# Altium PCB ATM1099C-0627-ssy-1.brd.PcbDoc (part 2 of 4) (continued)
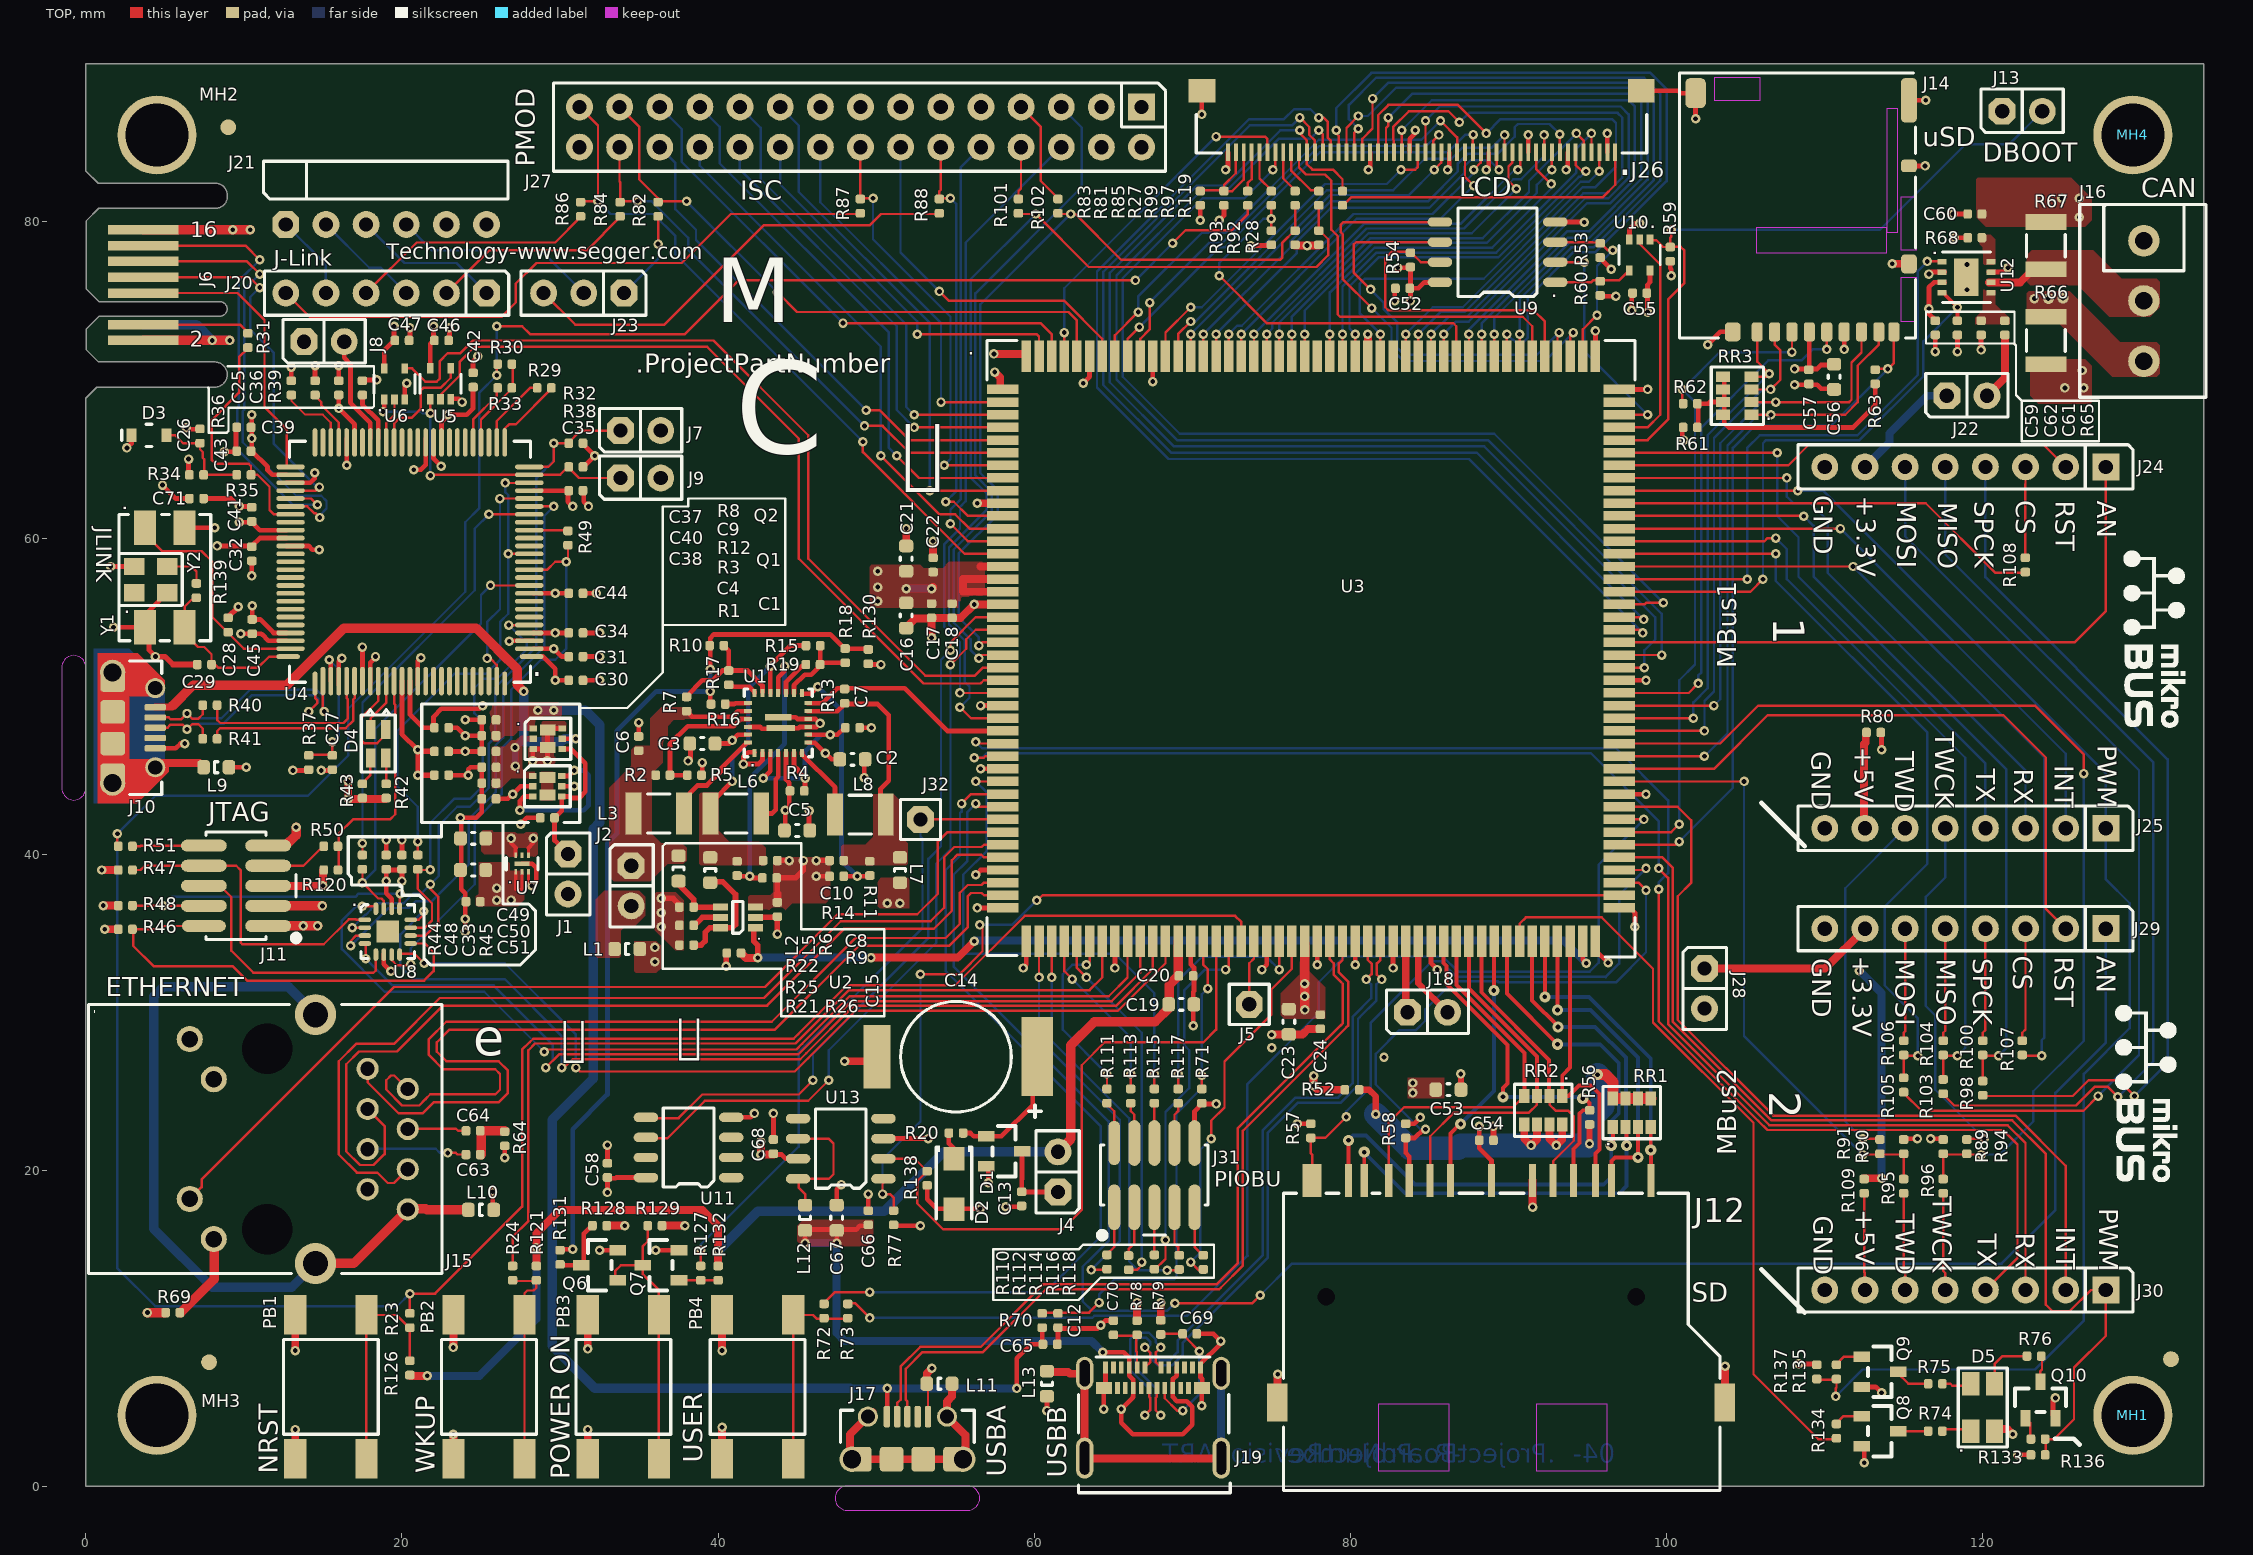
[diagram p0: TOP view]
## Nets (pads, with @x,y where several pads share a name; then routed paths per layer and width w, separated by ;. In a path a pad name is that pad's centre, name@x,y a point inside that pad or via, vN(x,y) a via of type N, cw(c..) or ccw(c..) an arc to the next point about the centre after c; other vN are vias at no path point) (continued)
  TOP w0.152: L11.1@53.2,6.5 53.25,6.5 53.276,6.474 J17.5@53.276,4.417 ; C24.2@78.1,28.95 78.114,28.936 78.136,28.936 C24.2@78.125,28.925
  TOP w0.2: v1@28,38.2 U7.3@28,38.875
  TOP w0.25: v1@28,38.2 v1@28.2,38
  TOP w0.3: v1(1.75,54.35) Y1.4@3.75,54.35 ; J10.5@4.375,46.7 5.694,46.7 5.994,47 v1(6.25,47) ; v1(4.4,52.5) 4,52.9 4,54.1 Y1.4@3.75,54.35 ; Y2.2@5.175,56.575 Y2.2@5.15,56.55 3.75,55.15 Y1.4@3.75,54.35 ; Y1.2@6.25,60.65 v1(8.15,60.65) ; v1(6.358,66.964) v1@6.434,66.888 ; v1@6.42,66.888 v1@6.434,66.888 ; C26.2@7.221,66.888 v1@6.434,66.888 ; C71.2@7.5,62.5 9.2,62.5 v1(9.7,62) C41.2@10.5,62 ; v1(8.745,65.465) 9.465,65.465 9.5,65.5 C39.2@9.5,67 ; L9.2@9,45.5 L9.2@9.05,45.5 v1(10.15,45.5) ; v1(10.5,57.6) C32.2@10.5,58.5 ; v1(10.525,55.725) 10.525,55.075 C45.2@10.75,54.85 ; C45.2@10.7,54.85 C45.2@10.75,54.85 ; U4.72@12.7,54 11.875,54 11.025,54.85 C45.2@10.75,54.85 ; U4.61@12.7,59.5 U4.61@12.95,59.5 14.1,59.5 14.332,59.268 v1(14.765,59.268) ; v1(13.1,45.3) R37.1@14.1,45.3 ; C25.1@14.5,70 v1(14.5,70.9) ; v1(14.9,45.3) C27.2@15.6,45.3 ; C36.2@16,70 v1(16,70.9) ; v1(16.5,64.6) U4.46@16.5,66.05 U4.46@16.5,66.3 ; U4.82@17.5,50.7 U4.82@17.5,50.95 v1(17.5,53.1) ; U8.6@18.85,33.7 U8.6@18.85,33.65 18.85,33.05 v1(19.3,32.6) ; C48.2@19,40 v1(19,40.9) ; C33.2@20,40 v1(20,40.9) ; U6.3@20.175,68.77 20.175,69.675 v1(20.3,69.8) ; C47.2@20.5,72.5 v1(20.5,73.3) ; U4.89@21,50.7 U4.89@21,50.95 21,52.225 v1(21.2,52.425) ; U4.35@22,66.3 U4.35@22,66.05 22,65.025 v1(22.475,64.55) ; C38.2@23,45 v1(24.2,45) 24.2,45.359 24.341,45.5 25.052,45.5 25.052,42.652 24.7,42.3 v1(23.7,42.3) 23.75,42.25 23.75,37.777 24,37.527 v1(24,35.9) v1(24,35.1) ; C40.2@23,46.5 v1(24,46.5) 25.052,46.5 C9.2@25.052,47.5 ; C37.2@23,48 23.5,48 v1(24,47.5) C9.2@25.05,47.5 C9.2@25.052,47.5 ; C46.2@23,72.5 v1(23,73.3) ; U5.3@23.09,68.813 23.587,68.813 v1(23.8,68.6) ; v1(24,48.5) 25.052,48.5 C9.2@25.052,47.5 ; C42.2@24.5,70.5 24.5,71.2 v1(24.8,71.5) ; L10.2@25.75,17.5 v1(25.75,18.65) ; v1(26.5,20.8) R64.1@26.5,21.5 ; v1(26.779,53.476) 26.803,53.5 U4.3@28.05,53.5 U4.3@28.3,53.5 ; v1(27.5,41.9) 27.9,42.3 C1.2@28.7,42.3 ; U7.7@27.6,39.4 28.247,39.4 28.5,39.147 28.5,38.3 28.2,38 v1(28.202,38) ; C30.2@31.5,51 v1(32.5,51) ; C31.2@31.5,52.5 v1(32.5,52.5) ; C34.2@31.5,54 v1(32.5,54) ; C44.2@31.5,56.5 v1(32.3,56.5) ; C35.2@31.5,63 31.5,62.3 v1(31.8,62) ; v1(32.5,14.95) Q6.2@33.5,14.95 ; C58.2@33,20.5 v1(33,21.6) ; C6.2@34.975,47.45 v1(34.975,48.325) ; v1(36.05,14.95) Q7.2@37.525,14.95 ; v1(38.1,45.9) 38.25,46.05 C3.2@38.25,47 ; R5.2@39,45 v1(39,45.8) ; U11.4@40.833,23.352 42.052,23.352 v1(42.3,23.6) ; U1.24@41.95,48.05 42.653,48.05 42.773,47.93 43.387,47.93 43.432,47.975 44.569,47.975 44.614,47.93 44.767,47.93 44.812,47.975 45.1,47.975 45.175,48.05 46.225,48.05 v1(46.45,48.275) 46.175,48.55 45.022,48.55 44.912,48.66 U1.11@43.8,48.66 ; U1.1@42.3,46.45 41.898,46.45 41.6,46.152 v1(41.6,45.7) 42.55,45.7 42.8,45.95 U1.2@42.8,46.41 ; C68.2@43.5,22 v1(43.5,23.6) ; C8.2@43.8,39.6 v1(44.5,39.6) ; C5.2@45.75,41.5 v1(45.75,42.75) ; v1(46.2,38.6) R14.2@47,38.6 ; v1(46.2,39.6) C10.2@47,39.6 ; C67.2@47.5,17.75 C67.2@47.5,17.8 47.5,18.8 v1(47.8,19.1) ; C7.2@49,48 v1(49.7,48) ; v1(49.25,44.85) C2.2@49.25,46 ; C66.2@49.5,17.5 v1(49.5,18.5) ; U13.3@50.46,22.008 v1(53.292,22.008) ; R77.2@51.1,16.5 v1(52.8,16.5) ; v1(56.3,38.7) 56.6,39 U3.39@58,39 ; v1(56.4,36.6) U3.42@58,36.6 ; v1(56.6,45.4) U3.31@58,45.4 ; v1(56.6,49.4) U3.26@58,49.4 ; v1(58.2,17.7) C13.2@59.2,17.7 ; v1(59.3,32.8) 59.5,33 U3.43@59.5,34.5 ; v1(60.8,4.8) L13.1@60.8,5.7 L13.1@60.8,5.75 ; C65.2@61.5,9 61.5,10 64,10 v1(64.2,10.2) 64.5,10.5 C70.2@65,10.5 ; v1(63.1,69.8) 63.5,70.2 U3.171@63.5,71.5 ; v1(64.4,4.9) 64.4,6.24 64.5,6.34 J19.A1@64.5,7.54 ; v1(65.1,32.8) U3.50@65.1,34.5 ; v1(67.5,69.9) U3.166@67.5,71.5 ; U3.56@69.9,34.5 69.9,33.027 70.1,32.827 70.1,31.327 70.05,31.277 v1(70.05,29.15) ; J31.10@70.14,21.735 70.14,23.74 70.6,24.2 v1(71.509,24.2) ; C69.2@70.282,9.661 71.339,9.661 v1(71.8,9.2) 71.8,9.04 70.51,7.75 J19.A12@70.51,7.54 70.51,6.915 70.625,6.8 70.625,6.265 70.6,6.24 v1(70.6,5.1) ; v1(70.6,86.8) J26.MNT@70.6,88.3 ; v1(72.1,83.3) 72.25,83.45 J26.50@72.25,84.4 ; v1(73.7,78.5) R28.2@75,78.5 ; v1(74.4,32.7) 74.7,33 U3.62@74.7,34.5 ; v1(77.9,33) U3.66@77.9,34.5 ; v1(80.3,33) U3.69@80.3,34.5 ; v1(81.143,83.3) 81.25,83.407 J26.32@81.25,84.4 ; v1(82.7,32.8) U3.72@82.7,34.5 ; v1(82.8,75) C52.2@82.8,75.8 ; J26.27@83.752,84.4 83.75,85.25 84.1,85.6 v1(84.1,85.8) ; U3.75@85.1,34.5 85.1,33.1 v1(85.5,32.7) ; v1(86.143,83.3) 86.25,83.407 J26.22@86.25,84.4 ; v1(88.6,83.3) 88.75,83.45 J26.17@88.75,84.4 ; J26.12@91.25,84.4 v1(91.25,85.5) ; U9.4@92.964,79.994 v1@94.8,79.994 ; v1(93.643,83.3) 93.75,83.407 J26.7@93.752,84.4 ; U3.88@95.5,34.5 95.5,33.925 v1(96.3,33.125) ; U3.131@95.5,71.5 v1(95.5,73.1) ; J26.2@96.25,84.4 v1(96.25,85.6) ; U3.89@97,36.6 97.7,36.6 98,36.3 v1(98,35.4) ; U3.98@97,43.8 v1(98.7,43.8) ; U3.107@97,51 v1(98.7,51) ; U3.130@97,69.4 v1(98.8,69.4) ; U10.3@97.65,78.85 97.65,79.527 98.023,79.9 v1(98.3,79.9) ; v1(97.8,74.4) C55.2@97.8,75.5 ; J26.MNT@98.4,88.3 100.751,88.3 100.907,88.144 J14.G3@101.834,88.144 v1(101.834,86.534) ; v1(102.6,72.237) 103.407,73.044 J14.G6@104.184,73.044 ; v1(108.1,69.7) 109.527,69.7 109.777,69.45 C56.2@110.6,69.45 ; v1(108.35,7.75) R137.2@109.5,7.75 ; v1(111.234,71.934) J14.P6@111.234,73.044 ; v1(112.5,1.5) Q8.2@112.5,2.55 ; Q9.2@112.5,6.3 113.227,6.3 v1(113.6,5.927) ; J14.G5@115.334,83.544 v1(116.356,83.544) ; J14.G2@115.334,87.694 v1(116.394,87.694) ; v1(116.6,76.7) 116.725,76.825 U12.2@117.425,76.825 U12.2@117.6,76.825 ; v1(117,71.8) C59.2@117,72.8 ; v1(118.1,80.5) C60.2@119,80.5 ; v1(118.2,79) R68.2@119,79 ; v1(118.4,71.8) C62.2@118.4,72.8 ; v1(119.9,71.9) C61.2@119.9,72.8 ; v1(122.225,2) R133.2@123,2 ; Q10.2@124.45,4.5 124.45,5.45 v1(124.6,5.6)
  TOP w0.35: v1(4.4,52.5) 5.002,52.5 5.502,52 C29.2@7.05,52 ; C28.2@9,55 v1(9.646,55.646) ; v1(40.5,32.9) R26.1@40.5,33.75 ; 43.75,37.475 43.75,38.5 44.902,38.5 45.4,38.998 v1(45.4,39.6)
  TOP w0.4: v1(86.975,26.1) 87,26.075 C53.2@87,25.1 ; C54.2@89.05,21.9 89.075,21.925 89.075,22.144 89.05,22.169 v1(89.05,22.775)
  TOP w0.5: J11.5@11.535,38 v1(15,38) R120.2@15,39 ; PB1.4@13.25,1.75 v1(13.25,3.6) ; v1(13.25,8.6) PB1.3@13.25,10.85 ; PB2.4@23.25,1.75 v1(23.25,3.3) ; v1(23.25,8.8) PB2.3@23.25,10.85 ; PB3.1@31.75,1.75 v1(31.75,3.6) ; v1(31.75,8.7) PB3.2@31.75,10.85 ; PB4.4@40.25,1.75 v1(40.25,3.75) ; v1(40.25,8.6) PB4.3@40.25,10.85 ; C15.2@43.75,36.95 43.75,37.475 ; v1(48,26.9) C14.2@49.75,26.9 ; C16.2@51.9,54.35 52.45,54.9 C17.2@53.5,54.9 ; C21.2@51.9,59.45 C21.2@51.9,59.5 v1(51.9,60.6) ; L11.1@53.2,6.5 53.2,7.15 v1(53.525,7.475) ; v1(53.5,53.7) C17.2@53.5,54.9 ; C17.2@53.5,54.95 C17.2@53.5,54.9 ; C22.2@53.6,58.8 v1(53.6,59.8) ; v1(56.4,62.2) U3.10@58,62.2 ; v1(57.45,71.65) 59.35,71.65 U3.176@59.5,71.5 ; v1(57.5,70.5) 57.85,70.15 57.85,69.55 U3.1@58,69.4 ; U3.18@58,55.8 v1(56.2,55.8) 55.35,54.95 C18.2@54.8,54.95 53.55,54.95 C17.2@53.5,54.9 ; v1(75.014,28.584) 76.084,28.584 C23.2@76.1,28.6 76.975,28.6 77.325,28.95 C24.2@78.1,28.95 ; J12.15@75.375,5.3 75.4,5.325 v1(75.4,7.1) ; U3.149@81.1,71.5 v1(81.1,72.9) ; v1(91.525,17.675) J12.3@91.525,19.35 ; J12.16@103.675,5.3 103.7,5.325 v1(103.7,7.6) ; v1(114.275,77.35) 115.328,77.35 J14.G1@115.334,77.344
  TOP w0.6: J6.2@3.625,72.5 v1(8,72.5) v1(9.1,72.5) ; J11.3@11.535,36.73 v1(14.97,36.73) ; J11.9@11.535,40.54 12.64,40.54 13.3,41.2 v1(13.3,41.7)
  BOTTOM w0.152: v1(24,35.1) v1(24,35.9)
  BOTTOM w0.6: J6.3@3.625,73.5 7,73.5 v1(8,72.5) v1(9.1,72.5)
  other v1: 82.125,27.15 75.025,27.75 119,75.7 119,77.3 94.8,79.984
HSIC_DATA: J18.2 U3.74 | length 5.9
  TOP w0.4: U3.74@84.3,34.5 84.3,31.845 J18.2@86.145,30 J18.2@86.77,30
HSIC_STRB: J18.1 U3.73 | length 4.5
  TOP w0.5: U3.73@83.5,34.5 83.5,30.105 J18.1@83.605,30
J10_USB_N: J10.2 pad.SQH@6.4,48.9 pad.SQH@15.075,49.025 R40.1 U4.77 | length 16.6
  TOP w0.155: J10.2@4.392,48.65 5.249,48.65 5.371,48.528 6.028,48.528 pad.SQH@6.4,48.9 6.741,48.559 7.107,48.559 7.4,48.851 R40.1@7.4,49.425 ; U4.77@15,50.95 15,49.1 pad.SQH@15.075,49.025
  BOTTOM w0.155: pad.SQH@6.4,48.9 6.7,48.6 8.576,48.6 9.4,49.425 10.379,50.403 14.598,50.403 15.025,49.976 15.025,49.132 pad.SQH@15.075,49.025
J10_USB_P: J10.3 pad.SQH@6.4,47.9 pad.SQH@14.1,49.025 R41.1 U4.76 | length 16.5
  TOP w0.155: J10.3@4.392,48 5.173,48 5.366,48.193 6.107,48.193 pad.SQH@6.4,47.9 6.724,48.224 7.125,48.224 7.4,47.949 R41.1@7.4,47.3 ; pad.SQH@14.1,49.025 14.647,49.572 14.647,49.728 14.5,49.875 U4.76@14.5,50.8
  BOTTOM w0.155: pad.SQH@6.4,47.9 6.765,48.265 8.715,48.265 9.539,49.09 10.518,50.068 14.458,50.068 14.69,49.836 14.69,49.615 pad.SQH@14.1,49.025
JTAG_TCK: J11.4 R48.2 U8.13 | length 20.8
  TOP w0.152: R48.2@3,36.75 4.21,36.75 4.23,36.73 v1(4.9,36.73) J11.4@7.465,36.73 ; U8.13@19.85,36.5 U8.13@19.85,36.55 19.85,37.454 v1(19.9,37.504)
  BOTTOM w0.152: v1(4.9,36.73) 5.47,37.3 17.05,37.3 17.254,37.504 v1(19.9,37.504)
JTAG_TDI: J11.8 R47.2 U8.1 | length 20.2
  TOP w0.152: R47.2@3,39 3.453,39 3.723,39.27 J11.8@7.468,39.27 9.513,39.27 9.791,38.992 9.791,34.409 9.9,34.3 15.052,34.3 16.631,35.879 17.068,35.879 17.097,35.85 U8.1@17.7,35.85
JTAG_TDO: J11.6 U8.5 | length 16.3
  TOP w0.152: J11.6@7.465,38 J11.6@7.468,38 8.49,38 9.2,37.29 9.2,33.9 10.6,32.5 18.198,32.5 18.35,32.652 U8.5@18.35,33.65 U8.5@18.35,33.7
JTAG_TMS: J11.2 R46.2 U8.9 | length 28.7
  TOP w0.152: J11.2@7.465,35.46 4.96,35.46 4.75,35.25 3,35.25 3,34.2 4.28,32.92 9.28,32.92 10.2,32 21.4,32 22,32.6 22,33.8 21.45,34.35 U8.9@20.55,34.35 U8.9@20.5,34.35
LCD_PWM_PC3: J26.46 R27.2 | length 2.7
  TOP w0.152: J26.46@74.25,84.4 74.25,82.75 R27.2@75,82
LED1_3U: D4.2 U4.84 | length 6.1
  TOP w0.152: U4.84@18.5,50.7 18.5,49.7 17.449,48.649 17.449,47.186 17.611,47.024 18.439,47.024 19,47.584 D4.2@19,47.875
LED2_3U: D4.3 U4.85 | length 3.2
  TOP w0.152: D4.3@18.025,47.9 18.025,48.6 18.175,48.75 19,49.575 U4.85@19,50.7
MISO_MBUS1: J24.5 R103.2 | length 58.3
  TOP w0.152: R103.2@117.5,24.8 118.2,24.1 125.9,24.1 127.1,25.3 127.9,25.3 v1(128.55,24.65)
  BOTTOM w0.152: J24.5@117.63,64.5 117.63,58.97 130.8,45.8 130.8,26.9 v1(128.55,24.65)
MISO_MBUS2: J29.5 R104.2 | length 7.1
  TOP w0.152: R104.2@117.5,28.25 117.5,28.703 117.63,28.833 J29.5@117.63,35.29
MOSI_MBUS1: J24.6 R105.2 | length 60.2
  TOP w0.152: R105.2@115,24.9 116.131,23.769 126.369,23.769 v1(127.3,24.7)
  BOTTOM w0.152: J24.6@115.09,64.5 115.09,60.11 129.89,45.31 129.89,27.29 v1(127.3,24.7)
MOSI_MBUS2: J29.6 R106.2 | length 7.1
  TOP w0.152: R106.2@115,28.25 115,28.703 115.09,28.793 J29.6@115.09,35.29
NetC1_1: C1.1 J1.1 Q1.4 Q2.4 | length 9.5
  TOP w0.3: Q2.4@30.125,46.65 30.7,46.65 31.6,45.75 31.6,43.951 31.2,43.551 30.726,43.551 30.627,43.65 30.1,43.65 30.1,42.725 30.075,42.725 C1.1@29.65,42.3 29.65,40.87 J1.1@30.5,40.02
NetC7_1: C7.1 R4.2 U1.3 U1.6 U1.9 | length 13.5
  TOP w0.3: v1(42.85,44.8) 43.3,45.25 U1.3@43.3,46.45 ; U1.6@44.8,46.45 44.8,45.6 45.092,45.308 45.092,45.208 v1(45.5,44.8) R4.2@45.5,44 ; U1.9@45.65,47.55 v1(47.1,47.55) 47.55,47.55 C7.1@48,48
  BOTTOM w0.3: v1(42.85,44.8) v1(45.5,44.8) 45.5,46.527 46.523,47.55 v1(47.1,47.55)
NetC13_1: C13.1 D1.1 J4.1 | length 4.9
  TOP w0.3: D1.1@59.1,21.2 59.225,21.075 59.225,19.452 59.2,19.427 C13.1@59.2,18.65 59.22,18.63 J4.1@61.5,18.63
NetC14_1: C14.1 D1.3 R20.2 | length 8.1
  TOP w0.3: R20.2@55.499,22.361 55.964,22.361 56.175,22.15 D1.3@56.95,22.15 57.927,22.15 59.9,24.123 C14.1@59.9,26.9
NetC25_2: C25.2 U4.47 | length 3.3
  TOP w0.152: C25.2@14.5,69 14.894,68.606 14.894,68.406 16,67.3 U4.47@16,66.3
NetC26_1: C26.1 D3.1 R34.2 R35.1 | length 6.1
  TOP w0.152: D3.1@5.4,66.5 5.65,66.5 6.15,66 7.221,66 7.221,65.616 7.395,65.442 7.395,65.074 7.5,64.969 7.5,64 R35.1@9.5,64
NetC27_1: C27.1 R37.2 U4.78 | length 9.3
  TOP w0.152: R37.2@14.1,46.3 15.6,46.3 v1(15.6,47.1)
  TOP w0.3: v1(15.4,52.3) 15.5,52.2 U4.78@15.5,50.95
  BOTTOM w0.152: v1(15.4,52.3) 16,51.7 16,47.5 v1(15.6,47.1)
NetC60_1: C60.1 R66.2 R67.1
  other v1: 125.2,69.5 126.4,69.5 126.3,70.6 126.1,80.3 125,81.5 126.1,81.5
NetC61_1: C61.1 R65.2 U12.5
NetC63_1: C63.1 J15.5 | length 6.3
  TOP w0.152: v1(22.9,21.1) 23.403,21.1 23.503,21 C63.1@24,21
  BOTTOM w0.152: J15.5@17.85,21.365 22.132,21.365 22.397,21.1 v1(22.9,21.1)
NetC64_1: C64.1 J15.4 | length 3.7
  TOP w0.152: J15.4@20.39,22.635 23.412,22.635 23.547,22.5 C64.1@24,22.5
NetC69_1: C69.1 J19.B5 R79.2 | length 9.3
  TOP w0.152: R79.2@68.025,9.525 68.161,9.661 69.339,9.661 69.525,9.475 v1(70.45,8.55) ; J19.B5@68.25,6.24 68.25,5.577 69.027,4.8 v1(69.395,4.8)
  BOTTOM w0.152: v1(69.395,4.8) 70.45,5.855 v1(70.45,8.55)
NetC70_1: C70.1 J19.A5 R78.2 | length 3.6
  TOP w0.152: C70.1@65,9.5 65.049,9.549 66.549,9.549 66.464,9.464 66.464,8.564 66.5,8.528 J19.A5@66.5,7.54
NetD2_2: D2.2 R20.1 | length 1.8
  TOP w0.3: R20.1@54.599,22.361 54.592,22.354 54.592,21.701 54.922,21.371 D2.2@54.922,20.736
NetD4_1: D4.1 R42.1 | length 1.6
  TOP w0.152: R42.1@19,44.5 D4.1@19,46.125
NetD4_4: D4.4 R43.1 | length 1.8
  TOP w0.152: R43.1@17.5,44.5 18,45 D4.4@18,46.125
NetD5_1: D5.1 R74.2 | length 1.8
  TOP w0.152: R74.2@117.5,3.5 117.625,3.625 D5.1@119.25,3.625
NetD5_3: D5.3 R76.2 | length 3.6
  TOP w0.152: D5.3@120.75,6.375 D5.3@120.75,6.5 120.75,7.75 121.25,8.25 R76.2@122.75,8.25
NetD5_4: D5.4 R75.2 | length 1.8
  TOP w0.152: R75.2@117.5,6.5 117.953,6.5 118.078,6.375 D5.4@119.25,6.375
NetJ2_2: J2.2 L1.1
NetJ5_1: J5.1 U3.61 | length 4.1
  TOP w0.152: J5.1@73.6,30.5 73.6,33.097 73.9,33.397 U3.61@73.9,34.5
NetJ8_2: J8.2 U4.43 | length 6.8
  TOP w0.3: J8.2@16.345,72.425 16.345,71.404 16.74,71.009 16.74,68.56 18,67.3 U4.43@18,66.3
NetJ11_7: J11.7 R50.2 | length 4
  TOP w0.152: J11.7@11.532,39.27 13.77,39.27 R50.2@15,40.5
NetJ11_10: J11.10 R51.1 | length 4.5
  TOP w0.152: R51.1@3,40.5 3.453,40.5 3.493,40.54 J11.10@7.465,40.54
NetJ15_12: J15.12 R69.2 | length 5.6
  TOP w0.6: R69.2@6,11 8.12,13.12 J15.12@8.12,15.675
NetJ16_2: J16.2 R67.2 U12.6 | length 3.9
  TOP w0.5: U12.6@120.4,76.175 122.373,76.175 123.048,76.85 R67.2@124,76.85
NetJ16_3: J16.3 R66.1 U12.7 | length 1.3
  TOP w0.3: U12.7@120.4,76.825 121.325,76.825 v1(121.6,77.1)
  other v1: 123.275,75.15
  other v2: 124.15,75.15 125.075,75.175
NetJ22_1: J22.1 J24.7 | length 7.4
  BOTTOM w0.5: J24.7@112.55,64.5 114.1,66.05 114.1,66.622 116.478,69 J22.1@117.73,69
NetJ25_7: J25.7 R80.1 | length 6.1
  TOP w0.5: J25.7@112.55,41.64 112.5,41.69 112.5,46.973 112.6,47.073 R80.1@112.6,47.7
NetJ26_1: J26.1 R119.2 | length 19.9
  TOP w0.152: R119.2@79.5,81 79.525,81.025 80.071,81.571 95.971,81.571 96.75,82.35 J26.1@96.75,84.4
NetJ26_47: J26.47 R85.2 | length 2.5
  TOP w0.152: R85.2@73.5,82 73.5,82.453 73.75,82.703 J26.47@73.752,84.4
NetJ26_48: J26.48 J26.49 R81.2 R83.2 | length 7.5
  TOP w0.152: R83.2@70.5,82 R81.2@72,82 ; J26.49@72.75,84.4 72.75,83.075 72.011,82.336 72,82.336 R81.2@72,81.95 72.525,81.95 73.25,82.675 J26.48@73.25,84.4
NetJ28_1: J28.1 J29.7 | length 11.2
  TOP w0.5: J28.1@102.4,32.77 110.03,32.77 J29.7@112.55,35.29
NetJ30_7: J30.7 R109.1 | length 6.1
  TOP w0.152: R109.1@112.5,18.5 112.5,13.558 112.55,13.508 J30.7@112.55,12.43
NetJ31_1: J31.1 R110.2 | length 3.2
  TOP w0.152: R110.2@64.6,14.7 65.06,15.16 J31.1@65.06,17.665
NetJ31_2: J31.2 R111.1 | length 2.7
  TOP w0.152: R111.1@64.6,24.2 65.06,23.74 J31.2@65.06,21.735
NetJ31_3: J31.3 R112.2 | length 3.2
  TOP w0.152: R112.2@65.972,14.607 65.972,15.025 66.33,15.383 J31.3@66.33,17.665
NetJ31_4: J31.4 R113.1 | length 2.6
  TOP w0.152: R113.1@66.1,24.2 66.1,23.747 66.33,23.517 J31.4@66.33,21.735
NetJ31_5: J31.5 R114.2 | length 3
  TOP w0.152: R114.2@67.6,14.65 J31.5@67.6,17.665
NetJ31_6: J31.6 R115.1 | length 2.5
  TOP w0.152: J31.6@67.6,21.735 R115.1@67.6,24.2
NetJ31_7: J31.7 R116.2 | length 3.2
  TOP w0.152: J31.7@68.87,17.665 68.87,15.383 69.1,15.153 69.1,14.704 R116.2@69.172,14.632
NetJ31_8: J31.8 R117.1 | length 2.6
  TOP w0.152: J31.8@68.87,21.735 68.87,23.517 69.1,23.747 R117.1@69.1,24.2
NetJ31_9: J31.9 R118.2 | length 3.3
  TOP w0.152: J31.9@70.14,17.665 70.14,15.16 R118.2@70.682,14.618
NetL3_1: L3.1 U1.26 | length 6.7
  TOP w0.3: L3.1@37.775,42.5 37.775,43.425 38.7,44.35 39.289,44.35 40.2,45.261 40.2,45.425 41.825,47.05 U1.26@41.95,47.05
NetL6_1: L6.1 U1.4 | length 4.7
  TOP w0.3: L6.1@42.725,42.575 43.425,42.575 43.65,42.8 43.65,44.751 43.8,44.901 U1.4@43.8,46.41 U1.4@43.8,46.45
NetL8_1: L8.1 U1.7 | length 4.8
  TOP w0.3: U1.7@45.3,46.45 45.3,46.325 47.4,44.225 L8.1@47.4,42.5
NetL12_2: L12.2 U13.6 U13.8 | length 7.9
  TOP w0.152: L12.2@45.5,17.75 L12.2@45.5,17.8 45.5,18.5 45.093,18.907 45.093,19.468 47.015,19.468 47.3,19.752 47.3,21.701 46.994,22.008 U13.6@45.69,22.008
NetPB1_1: PB1.1 PB1.2 R23.2 R126.2 | length 14.2
  TOP w0.152: PB1.2@17.75,1.75 PB1.1@17.75,10.85 19.65,10.85 20.5,10 R126.2@20.5,8
NetPB2_1: PB2.1 PB2.2 R24.2 R121.2 | length 13.6
  TOP w0.152: R24.2@27,13 R121.2@28.5,13 ; PB2.2@27.75,1.45 PB2.1@27.75,10.85 27.75,12.225 27.925,12.4 28.325,12.4 28.5,12.575 R121.2@28.5,13 ; R121.2@28.5,13.05 R121.2@28.5,13
NetPB3_3: PB3.3 PB3.4 Q6.1 Q7.3 R129.2 | length 17.5
  TOP w0.152: Q6.1@33.5,13.05 33.5,13.653 33.847,14 Q7.3@35,14 ; R129.2@35.55,16.5 35.55,15.513 35.225,15.187 Q7.3@35.225,14 35.225,13.45 36.25,12.425 PB3.3@36.25,1.8
NetPB4_1: PB4.1 PB4.2 R72.2 R73.2 | length 12.7
  TOP w0.152: PB4.2@44.75,1.75 PB4.1@44.75,10.85 45.997,10.85 46.247,10.6 R73.2@48.2,10.6
NetQ1_2: Q1.2 Q1.5 Q2.3 Q2.6 Q2.7 Q2.8 R1.1 | length 7.9
  TOP w0.3: R1.1@26,43.5 26.7,43.5 v1(27,43.8) 27.5,44.3 Q1.2@28.275,44.3 ; v1(28.275,45.9) 28.275,46.65 29.2,46.65 v1(29.2,45.9) ; Q2.8@29.2,46.75 29.2,47.85 29.3,47.95 Q2.6@30.125,47.95 ; Q1.5@30.125,44.3 v1(30.898,44.3)
NetQ1_3: Q1.3 Q1.6 | length 9.8
  TOP w0.3: v1(27.461,42.788) 27.461,43.365 27.747,43.65 Q1.3@28.275,43.65 ; Q1.6@30.125,44.95 30.548,44.95 v1(30.898,45.3)
  BOTTOM w0.3: v1(27.461,42.788) 31.5,42.788 31.8,43.088 31.8,45 31.5,45.3 v1(30.898,45.3)
NetQ1_7: Q1.7 Q1.8
NetQ6_3: Q6.3 R128.1 R131.1 | length 4.2
  TOP w0.3: R131.1@30,14 Q6.3@31.35,14 31.5,14 31.5,16 R128.1@32,16.5
NetQ7_1: Q7.1 R127.2 R132.2 | length 2.9
  TOP w0.152: Q7.1@37.15,13.05 38.5,13.05 R132.2@40,13.05 ; R132.2@39.975,13.025 R132.2@40,13
NetQ8_1: Q8.1 R134.2 | length 1.9
  TOP w0.152: R134.2@110.75,4 111.2,4.45 Q8.1@112.35,4.45 Q8.1@112.5,4.45
NetQ8_3: Q8.3 R74.1 | length 2
  TOP w0.152: Q8.3@114.5,3.5 Q8.3@114.65,3.5 R74.1@116.5,3.5
NetQ9_1: Q9.1 R135.2 | length 1.9
  TOP w0.152: R135.2@110.75,7.75 111.2,8.2 Q9.1@112.35,8.2 Q9.1@112.5,8.2
NetQ9_3: Q9.3 R75.1 | length 2.3
  TOP w0.152: Q9.3@114.5,7.25 114.55,7.25 115.3,6.5 R75.1@116.5,6.5
NetQ10_1: Q10.1 R136.2 | length 1.7
  TOP w0.152: Q10.1@122.55,4.5 123,4.05 R136.2@123,3
NetQ10_3: Q10.3 R76.1 | length 1.9
  TOP w0.152: Q10.3@123.5,6.5 123.575,6.5 123.65,6.575 123.65,7.303 123.75,7.403 R76.1@123.75,8.25
NetR2_2: R2.2 R5.1 U1.23 | length 9.8
  TOP w0.3: R5.1@38,45 R2.2@36.95,45 ; R5.1@38.05,45 R2.2@36.95,45 ; U1.23@41.95,48.55 41.423,48.55 40.973,48.1 38.072,48.1 36.95,46.978 R2.2@36.95,45
NetR6_2: R6.2 R9.1 U1.17 | length 17.7
  TOP w0.3: R6.2@41.2,38.6 v1(42,38.6) 42.1,38.5 R9.1@42.75,38.5 ; U1.17@43.8,50.15 U1.17@43.8,50.21 43.8,51.2 44.2,51.6 v1(44.2,51.9)
  BOTTOM w0.3: v1(42,38.6) 42,44.8 44.2,47 v1(44.2,51.9)
NetR7_2: R7.2 R10.2 R17.1 U1.19 | length 8.1
  TOP w0.126: U1.19@42.775,50.235 U1.19@42.8,50.21 ; 42.775,50.699 42.8,50.674
  TOP w0.3: R7.2@38,50 39,51 39.649,51 40.264,51.615 R17.1@40.673,51.615 ; R10.2@40.361,53.197 40.673,52.885 R17.1@40.673,51.615 ; 42.775,50.699 41.859,51.615 R17.1@40.673,51.615 ; U1.19@42.8,50.21 42.8,50.674
NetR10_1: R10.1 R16.1 R18.2 R130.1 R131.2 | length 56.3
  TOP w0.3: R131.2@30,15 v1(30.8,15) ; R16.1@39.5,49.5 v1(39.5,50.3) ; v1(39.5,51.7) 39.5,53.675 39.725,53.9 47.1,53.9 48,53 R130.1@49.5,53
  BOTTOM w0.3: v1(30.8,15) 30.8,22.6 33,24.8 33,40.7 33.6,41.3 33.6,47.8 36.1,50.3 v1(39.5,50.3) v1(39.5,51.7)
NetR11_2: R11.2 R14.1 U1.14 | length 15.8
  TOP w0.3: U1.14@45.3,50.15 45.85,50.15 v1(46.3,50.6) ; R14.1@48,38.6 v1(48.8,38.6) R11.2@49.6,38.6
  BOTTOM w0.3: v1(46.3,50.6) 47.8,49.1 47.8,39.6 v1(48.8,38.6)
NetR15_1: R15.1 R18.1 R19.1 U1.15 | length 5.6
  TOP w0.3: U1.15@44.8,50.15 44.8,50.677 45.473,51.35 45.89,51.35 46.45,51.911 R19.1@46.45,52 R19.1@46.457,52.007 ; R15.1@46.457,53.197 R19.1@46.457,52.007 ; R18.1@48.039,52.112 46.562,52.112 R19.1@46.457,52.007
NetR16_2: R16.2 U1.21 | length 1.5
  TOP w0.3: R16.2@40.5,49.5 41.027,49.5 41.077,49.55 U1.21@41.95,49.55
NetR17_2: R17.2 U1.20 | length 1.9
  TOP w0.3: R17.2@40.673,50.715 40.835,50.715 40.954,50.596 41.979,50.596 42.3,50.275 U1.20@42.3,50.15
NetR19_2: R19.2 U1.16 | length 2.4
  TOP w0.3: U1.16@44.3,50.15 44.3,50.9 45.4,52 R19.2@45.5,52
NetR25_1: R25.1 U2.5 | length 2
  TOP w0.35: R25.1@38.5,35.5 39,36 U2.5@40.25,36
NetR30_1: R30.1 R33.2 U4.29 | length 5.5
  TOP w0.152: U4.29@25,66.3 25,67.5 26.975,69.475 27,69.5 R30.1@27,71
NetR31_2: R31.2 R35.2 U4.57 | length 15.3
  TOP w0.152: R31.2@10.25,72 9.7,71.45 9.7,69.2 7.979,67.479 7.979,65.655 7.971,65.648 7.971,64.929 8.2,64.7 10.3,64.7 10.45,64.55 R35.2@10.45,64 10.863,64 11.618,63.245 11.618,61.782 11.9,61.5 U4.57@12.7,61.5
NetR36_2: R36.2 U4.48 | length 4.4
  TOP w0.126: R36.2@13,69.05 13,68.678 13.876,67.802 14.998,67.802 15.5,67.3
  TOP w0.152: U4.48@15.5,66.3 15.5,67.3
NetR39_2: R39.2 U4.42 | length 3.1
  TOP w0.3: R39.2@17.5,69 17.5,68.448 18.5,67.448 U4.42@18.5,66.3
NetR52_2: R52.2 R56.1 RR1.5 RR1.6 RR1.7 RR1.8 RR2.5 RR2.6 RR2.7 RR2.8 | length 33.5
  TOP w0.4: R52.2@80.55,25.1 81.175,25.1 81.6,24.675 v1(81.6,23.555) ; v1(95.125,21.675) 95.125,22.896 R56.1@95.131,22.902
  TOP w0.5: RR2.5@91,22.9 91,22 v1(91.425,21.575) 91.8,21.95 RR2.6@91.8,22.9 ; RR2.7@92.6,22.9 92.6,22 v1(93.025,21.575) 93.4,21.95 RR2.8@93.4,22.9
  TOP w0.7: v2(95.625,26.05) 96.125,26.05 96.6,25.575 RR1.8@96.6,24.55 RR1.7@97.4,24.55 RR1.6@98.2,24.55 RR1.5@99,24.55
  BOTTOM w1.5: v1(81.6,23.555) 83.755,21.4 86.8,21.4 86.975,21.575 v1(91.425,21.575) v1(93.025,21.575) 95.025,21.575 v1(95.125,21.675) 95.125,23.207 95.95,24.032 95.95,25.721 95.625,26.046 v2(95.625,26.05)
NetR61_1: R61.1 R62.1 R63.1 RR3.5 RR3.6 RR3.7 RR3.8 | length 17.7
  TOP w0.3: R62.1@101.95,68.5 102.65,68.5 102.75,68.6 RR3.7@103.575,68.6 ; R61.1@102,67 R62.1@102,68.5 ; RR3.8@103.575,67.8 RR3.8@103.65,67.8 ; RR3.5@103.65,70.2 RR3.8@103.65,67.8 ; R63.1@113.2,69.7 113.2,68.4 111.795,66.995 103.93,66.995 103.65,67.275 RR3.8@103.65,67.8
NetR68_1: R68.1 U12.8
NetR139_1: R139.1 Y2.3 | length 2.7
  TOP w0.152: Y2.3@5.15,58.2 6.675,58.2 7,57.875 7,57.135 R139.1@6.992,57.127
NPCS0: J29.3 R107.2 | length 7.1
  TOP w0.152: R107.2@122.5,28.25 122.5,28.703 122.71,28.913 J29.3@122.71,35.29
NPCS1: J24.3 R108.2 | length 5.7
  TOP w0.152: R108.2@122.7,58.8 122.7,63.412 122.71,63.422 J24.3@122.71,64.5
NRST: R23.1 R30.2 R51.2 R85.1 U3.60 | length 218.8
  TOP w0.152: R51.2@2,40.5 v1(2,41.3) ; R23.1@20.5,11 v1(20.5,12.2) 22.1,12.2 27.603,17.703 27.603,27.634 28.069,28.1 28.072,28.1 28.301,28.329 44.777,28.329 45.069,28.621 45.069,28.624 48.149,31.705 55.005,31.705 59.4,36.1 72.703,36.1 73.1,35.703 U3.60@73.1,34.5 ; v1(26,70.3) R30.2@26,71 ; v1(26,73.4) 27.6,73.4 28.1,72.9 37.9,72.9 41.3,76.3 v1(66.4,76.3) ; v1(68.75,78.65) 69.575,79.475 72.5,79.475 73.5,80.475 R85.1@73.5,81.05
  BOTTOM w0.152: v1(20.5,12.2) 19.7,11.4 4.4,11.4 2,13.8 v1(2,41.3) 4.4,43.7 14.048,43.7 16.6,46.252 16.6,49.2 24,56.6 24,61 24.9,61.9 24.9,69.2 v1(26,70.3) v1(26,73.4) ; v1(66.4,76.3) v1(68.75,78.65)
NRST_3U: J6.4 R31.1 | length 6.8
  TOP w0.152: J6.4@3.625,73.5 9.75,73.5 R31.1@10.25,73
PA0: J12.5 U3.80 | length 16.5
  TOP w0.152: v2@86.95,22.95 v2(86.975,22.925) ; U3.80@89.1,33.551 89.324,33.775 89.324,34.276 U3.80@89.1,34.5
  TOP w0.25: J12.5@86.325,19.35 86.325,22.325 v2@86.95,22.95 ; v2(89.075,31.375) 89.075,33.526 U3.80@89.1,33.551
  BOTTOM w0.25: v2(86.975,22.925) 89.075,25.025 v2(89.075,31.375)
PA1: J12.2 R56.2 U3.76 | length 22.9
  TOP w0.25: U3.76@85.9,34.5 85.9,33.113 86.075,32.938 86.075,31.794 89.95,27.919 89.95,25.5 89.65,25.2 v2(89.65,24.65) ; J12.2@94.125,19.35 94.125,21.35 94.506,21.731 94.506,23.588 94.72,23.802 R56.2@95.131,23.802 95.131,24.25 94.831,24.55 v2(94.7,24.55)
  BOTTOM w0.25: v2(89.65,24.65) 94.6,24.65 v2(94.7,24.55)
PA2: J12.7 RR1.2 U3.83 | length 40.2
  TOP w0.25: J12.7@80.875,19.35 v2(80.875,21.15) ; U3.83@91.5,34.5 91.5,30.75 93.125,29.125 v2(93.125,29.075) ; RR1.2@97.4,22.75 97.475,22.675 v2(97.475,21.575)
  BOTTOM w0.25: v2(80.875,21.15) 80.875,21.125 83.45,18.55 97.025,18.55 97.475,19 v2(97.475,21.575) 97.425,21.625 97.425,27.125 95.475,29.075 v2(93.125,29.075)
PA3: J12.8 RR1.1 U3.81 | length 41.8
  TOP w0.25: J12.8@79.875,19.35 v2(79.875,21.9) ; U3.81@89.9,34.5 89.9,31.175 v2(93.1,27.975) ; v2(96.5,21.575) 96.6,21.475 RR1.1@96.6,22.75
  BOTTOM w0.25: v2(79.875,21.9) 80.175,22.2 81,22.2 84.1,19.1 96.025,19.1 96.5,19.575 v2(96.5,21.575) 96.5,23.133 96.975,23.608 96.975,26.8 95.8,27.975 v2(93.1,27.975)
PA4: J12.9 RR1.4 U3.84 | length 21
  TOP w0.25: v2(92.3,30.975) 92.3,31.075 U3.84@92.3,34.5 ; RR1.4@99,22.75 v2(99,21.275) 99.005,21.27 J12.9@99.005,19.35
  BOTTOM w0.25: v2(92.3,30.975) 95.1,30.975 99,27.075 v2(99,21.275)
PA5: J12.1 RR1.3 U3.85 | length 22
  TOP w0.25: v2(93.1,30.15) U3.85@93.1,34.5 ; J12.1@96.505,19.35 96.505,20.58 96.75,20.825 v2(98.2,20.825) RR1.3@98.2,22.75
  BOTTOM w0.25: v2(93.1,30.15) 95.2,30.15 98.2,27.15 v2(98.2,20.825)
PA6: J12.10 RR2.1 U3.86 | length 18.5
  TOP w0.25: U3.86@93.9,34.5 93.9,26.5 93.4,26 RR2.1@93.4,24.7 93.8,24.7 94.475,25.375 95.2,25.375 95.756,24.819 95.756,21.331 95.5,21.075 95.5,19.355 J12.10@95.505,19.35
PA7: J12.11 RR2.2 U3.79 | length 18.6
  TOP w0.152: RR2.2@92.6,24.7 92.6,24.15 92.975,23.775 93.775,23.775 94.125,23.425 94.125,21.875 92.825,20.575 J12.11@92.825,19.35
  TOP w0.25: U3.79@88.3,34.5 88.3,31.266 92.575,26.991 92.575,24.725 RR2.2@92.6,24.7
PA8: J12.12 RR2.3 U3.78 | length 22.5
  TOP w0.152: J12.12@85.025,19.35 85.05,19.375 85.05,22.156 86.544,23.65 91.3,23.65 91.8,24.15 RR2.3@91.8,24.7
  TOP w0.25: U3.78@87.5,34.5 87.5,31.5 91.8,27.2 RR2.3@91.8,24.7
PA9: J12.13 RR2.4 U3.77 | length 24.5
  TOP w0.152: J12.13@82.425,19.35 82.425,23.025 83.402,24.002 90.302,24.002 RR2.4@91,24.7
  TOP w0.25: U3.77@86.7,34.5 86.7,31.735 91,27.435 RR2.4@91,24.7
PA10: R134.1 U3.82 | length 46.3
  TOP w0.152: U3.82@90.7,34.5 90.7,35.6 91.1,36 95.9,36 99.144,32.756 99.144,29.363 105.5,23.007 105.5,7.1 109.6,3 R134.1@110.75,3
PA11: R26.2 U2.1 U3.87 | length 58.2
  TOP w0.3: U3.87@94.7,34.5 94.7,33.323 v1(94.923,33.1)
  TOP w0.35: U2.1@42.25,35.35 42.25,34.5 42.5,34.25 v1(42.5,33.453)
  TOP w0.5: R26.2@41.45,33.75 41.771,33.429 42.476,33.429 v1(42.5,33.453) ; v1(49.672,33.453) 55.153,33.453 v1(56.2,34.5)
  BOTTOM w0.5: v1(42.5,33.453) v1(49.672,33.453) ; v1(56.2,34.5) 56.25,34.55 93.473,34.55 v1(94.923,33.1)
PA12: J12.14 R57.2 U3.92 | length 38.7
  TOP w0.152: J12.14@77.575,19.35 77.575,21 77.5,21.075 R57.2@77.5,22.05 78.411,22.05 v1(79.738,23.377) ; U3.92@97,39 98.6,39 v1(98.7,39.1)
  BOTTOM w0.152: v1(79.738,23.377) 79.738,23.73 81.295,25.286 81.295,29.355 85.166,33.226 85.718,33.226 86.691,32.254 96.119,32.254 96.148,32.225 97,33.077 97,37.4 v1(98.7,39.1)
PA13: J12.6 R58.2 U3.91 | length 37.5
  TOP w0.152: U3.91@97.841,38.25 97.05,38.25 U3.91@97,38.2 98.225,38.2 v1(98.7,37.725)
  TOP w0.3: J12.6@83.725,19.35 83.725,20.875 83.5,21.1 R58.2@83.5,22.05 84.075,22.05 84.625,22.6 v1(84.75,22.6)
  BOTTOM w0.152: v1(84.75,22.6) 84.431,22.6 81.599,25.432 81.599,27.368 83.105,28.874 84.144,28.874 84.731,29.461 84.731,30.179 86.504,31.951 89.314,31.951 89.374,31.891 96.791,31.891 98.7,33.8 v1(98.7,37.725)
PA14: J26.37 U3.111 | length 71.1
  TOP w0.152: v1(78,86.6) 78.3,86.6 78.555,86.345 78.555,85.348 78.75,85.153 J26.37@78.75,84.4 ; U3.111@97,54.2 98.3,54.2 v1(98.5,54)
  BOTTOM w0.152: v1(78,86.6) 77.471,87.129 76.429,87.129 75.8,86.5 73.6,86.5 63.971,76.871 63.971,69.525 68.497,65 87.5,65 v1(98.5,54)
PA15: J26.38 U3.109 | length 70.6
  TOP w0.152: v1(77.999,85.799) 78.25,85.548 J26.38@78.25,84.4 ; U3.109@97,52.6 v1(99.7,52.6)
  BOTTOM w0.152: v1(77.999,85.799) 77.471,85.271 75.471,85.271 72.2,82 70.6,82 65.2,76.6 65.2,70.034 69.034,66.2 88.7,66.2 99.7,55.2 v1(99.7,52.6)